# KiCad board helios-panel.kicad_pcb (continued)
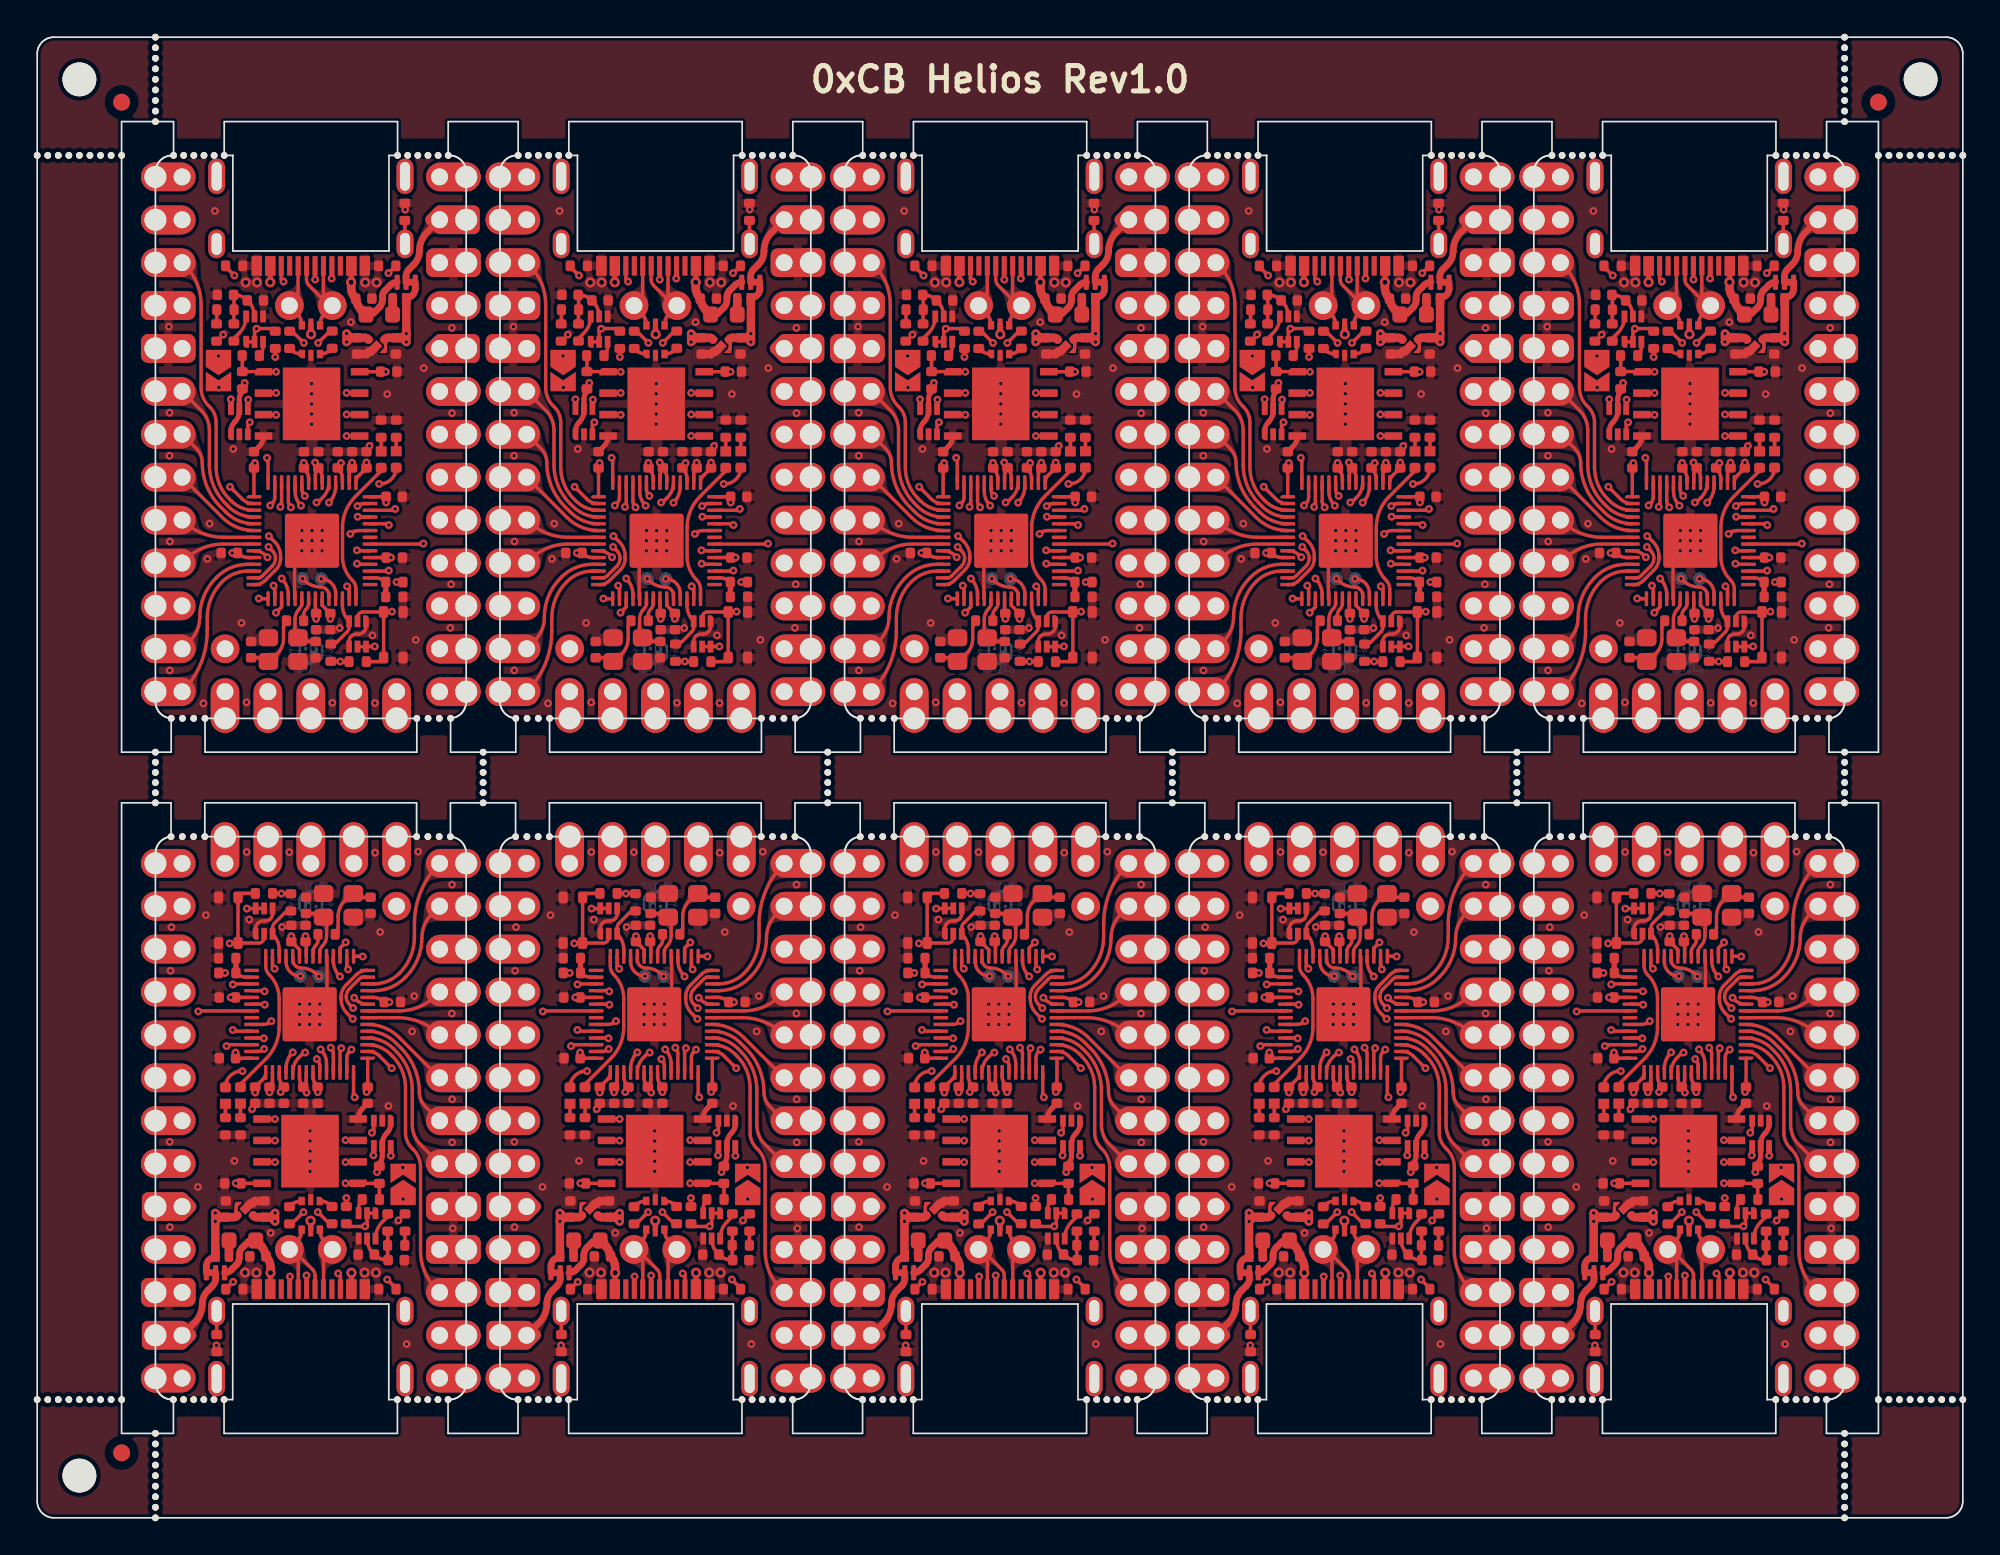
[diagram p0: board, top side]
## Nets (continued)
Board_7-/QSPI_CLK: U3#2.6 U4#8.52
Board_7-/QSPI_CS: R9#9.1 R11#8.2 U3#2.1 U4#8.56
Board_7-/QSPI_SD0: U3#2.5 U4#8.53
Board_7-/QSPI_SD1: U3#2.2 U4#8.55
Board_7-/QSPI_SD2: U3#2.3 U4#8.54
Board_7-/QSPI_SD3: U3#2.7 U4#8.51
Board_7-/RAW: J2#2.30 JP2#4.2
Board_7-/RESET: J2#2.28 Q1.2 R1#9.2 SW1#3.2
Board_7-/RGB_5V: J2#2.32 U5#4.4
Board_7-/RGB_DO: U4#8.37 U5#4.3
Board_7-/RST: Q1.3 R3#10.2 U4#8.26
Board_7-/SWD_CLK: TP1#8.1 U4#8.24
Board_7-/SWD_IO: TP2#10.1 U4#8.25
Board_7-/USB+: R12#9.1 U1#7.1
Board_7-/USB-: R13#8.1 U1#7.3
Board_7-GND: C1#9.2 C2#6.2 C3#2.2 C4#3.2 C5#2.2 C6.2 C7#3.1 C8.1 C9#6.1 C10#9.1 C11#6.2 C12.2 C13#2.2 C14#7.2 C15#2.2 C16#4.2 C17#2.2 C18#8.2 C19.2 FB1#8.2 J1#6.A1 J1#6.A12 J1#6.B1 J1#6.B12 J2#2.4 J2#2.5 J2#2.29 Q1.1 Q1.4 Q2.4 R6#3.2 R7#3.1 R8#9.1 R10#5.2 R15#5.2 R17#6.2 SW1#3.1 U1#7.2 U2#3.2 U2#3.5 U3#2.4 U3#2.9 U4#8.19 U4#8.57 U5#4.2 Y1#3.2 Y1#3.4
Board_7-Net-(C8-Pad2): C8.2 R14#8.1 Y1#3.1
Board_7-Net-(D1-A): D1#4.2 JP1#4.2
Board_7-Net-(D1-K): D1#4.1 R10#5.1
Board_7-Net-(D2-K): D2#2.1 R15#5.1
Board_7-Net-(D3-A): D3#5.2 F1#6.2
Board_7-Net-(J1-CC1): J1#6.A5 R7#3.2
Board_7-Net-(J1-CC2): J1#6.B5 R8#9.2
Board_7-Net-(J1-SHIELD): FB1#8.1 J1#6.S1
Board_7-Net-(Q1A-D): Q1.5 Q1.6 Q2.1 Q2.2 R2#9.2
Board_7-Net-(Q2A-D): Q2.6 R4#8.1
Board_7-Net-(Q2B-G): C1#9.1 C2#6.1 Q2.5 R4#8.2 R5#4.1
Board_7-Net-(R5-Pad2): R5#4.2 R6#3.1
Board_7-Net-(U4-XTAL_IN): C7#3.2 U4#8.20 Y1#3.3
Board_7-Net-(U4-XTAL_OUT): R14#8.2 U4#8.21
Board_7-unconnected-(J1-SBU1-PadA8): J1#6.A8
Board_7-unconnected-(J1-SBU2-PadB8): J1#6.B8
Board_7-unconnected-(U4-GPIO18-Pad29): U4#8.29
Board_7-unconnected-(U4-GPIO24-Pad36): U4#8.36
Board_7-VBUS: C3#2.1 F1#6.1 J1#6.A4 J1#6.A9 J1#6.B4 J1#6.B9 JP2#4.3 R16#6.1
Board_8-+1V1: C10#8.2 C17#4.1 C19#9.1 U4#4.23 U4#4.45 U4#4.50
Board_8-+3V3: C5#3.1 C6#2.1 C9#8.2 C11#7.1 C12#2.1 C13#3.1 C14#8.1 C15#6.1 C16#7.1 C18#5.1 J2#8.27 JP1#8.1 R1#10.1 R2#10.1 R3#2.1 R11#9.1 U2#8.1 U3#6.8 U4#4.1 U4#4.10 U4#4.22 U4#4.33 U4#4.42 U4#4.43 U4#4.44 U4#4.48 U4#4.49 U5#5.1 U5#5.5
Board_8-+5V: C4#4.1 D3#4.1 JP2#9.1 U1#8.5 U2#8.3 U2#8.4 U5#5.6
Board_8-/0_TX0: J2#8.2 U4#4.2
Board_8-/1_RX0: J2#8.3 U4#4.3
Board_8-/2_SDA1: J2#8.6 U4#4.4
Board_8-/3_SCL1: J2#8.7 U4#4.5
Board_8-/4: J2#8.8 U4#4.6
Board_8-/5: J2#8.9 U4#4.7
Board_8-/6: J2#8.10 U4#4.8
Board_8-/7: J2#8.11 U4#4.9
Board_8-/8: J2#8.12 U4#4.11
Board_8-/9: J2#8.13 U4#4.12
Board_8-/10: J2#8.1 U4#4.13
Board_8-/11: J2#8.31 U4#4.14
Board_8-/12: J2#8.14 U4#4.15
Board_8-/13: J2#8.15 U4#4.16
Board_8-/14: J2#8.16 U4#4.17
Board_8-/15: J2#8.17 U4#4.18
Board_8-/16: J2#8.18 U4#4.27
Board_8-/20_SDI: J2#8.21 U4#4.31
Board_8-/21_CS: J2#8.19 U4#4.32
Board_8-/22_SCK: J2#8.22 U4#4.34
Board_8-/23_SDO: J2#8.20 U4#4.35
Board_8-/A0: J2#8.23 U4#4.38
Board_8-/A1: J2#8.24 U4#4.39
Board_8-/A2: J2#8.25 U4#4.40
Board_8-/A3: J2#8.26 U4#4.41
Board_8-/BOOT: Q2#3.3 R9#10.2
Board_8-/D+: R12#10.2 U4#4.47
Board_8-/D-: R13#4.2 U4#4.46
Board_8-/LED: D2.2 U4#4.28
Board_8-/PORT+: J1#9.A6 J1#9.B6 J2#8.34 U1#8.6
Board_8-/PORT-: J1#9.A7 J1#9.B7 J2#8.33 U1#8.4
Board_8-/QSPI_CLK: U3#6.6 U4#4.52
Board_8-/QSPI_CS: R9#10.1 R11#9.2 U3#6.1 U4#4.56
Board_8-/QSPI_SD0: U3#6.5 U4#4.53
Board_8-/QSPI_SD1: U3#6.2 U4#4.55
Board_8-/QSPI_SD2: U3#6.3 U4#4.54
Board_8-/QSPI_SD3: U3#6.7 U4#4.51
Board_8-/RAW: J2#8.30 JP2#9.2
Board_8-/RESET: J2#8.28 Q1#6.2 R1#10.2 SW1#5.2
Board_8-/RGB_5V: J2#8.32 U5#5.4
Board_8-/RGB_DO: U4#4.37 U5#5.3
Board_8-/RST: Q1#6.3 R3#2.2 U4#4.26
Board_8-/SWD_CLK: TP1#9.1 U4#4.24
Board_8-/SWD_IO: TP2.1 U4#4.25
Board_8-/USB+: R12#10.1 U1#8.1
Board_8-/USB-: R13#4.1 U1#8.3
Board_8-GND: C1#10.2 C2#2.2 C3#3.2 C4#4.2 C5#3.2 C6#2.2 C7#5.1 C8#4.1 C9#8.1 C10#8.1 C11#7.2 C12#2.2 C13#3.2 C14#8.2 C15#6.2 C16#7.2 C17#4.2 C18#5.2 C19#9.2 FB1#9.2 J1#9.A1 J1#9.A12 J1#9.B1 J1#9.B12 J2#8.4 J2#8.5 J2#8.29 Q1#6.1 Q1#6.4 Q2#3.4 R6#4.2 R7#9.1 R8#10.1 R10#3.2 R15#6.2 R17#8.2 SW1#5.1 U1#8.2 U2#8.2 U2#8.5 U3#6.4 U3#6.9 U4#4.19 U4#4.57 U5#5.2 Y1#10.2 Y1#10.4
Board_8-Net-(C8-Pad2): C8#4.2 R14#10.1 Y1#10.1
Board_8-Net-(D1-A): D1.2 JP1#8.2
Board_8-Net-(D1-K): D1.1 R10#3.1
Board_8-Net-(D2-K): D2.1 R15#6.1
Board_8-Net-(D3-A): D3#4.2 F1#7.2
Board_8-Net-(J1-CC1): J1#9.A5 R7#9.2
Board_8-Net-(J1-CC2): J1#9.B5 R8#10.2
Board_8-Net-(J1-SHIELD): FB1#9.1 J1#9.S1
Board_8-Net-(Q1A-D): Q1#6.5 Q1#6.6 Q2#3.1 Q2#3.2 R2#10.2
Board_8-Net-(Q2A-D): Q2#3.6 R4#9.1
Board_8-Net-(Q2B-G): C1#10.1 C2#2.1 Q2#3.5 R4#9.2 R5#6.1
Board_8-Net-(R5-Pad2): R5#6.2 R6#4.1
Board_8-Net-(U4-XTAL_IN): C7#5.2 U4#4.20 Y1#10.3
Board_8-Net-(U4-XTAL_OUT): R14#10.2 U4#4.21
Board_8-unconnected-(J1-SBU1-PadA8): J1#9.A8
Board_8-unconnected-(J1-SBU2-PadB8): J1#9.B8
Board_8-unconnected-(U4-GPIO18-Pad29): U4#4.29
Board_8-unconnected-(U4-GPIO24-Pad36): U4#4.36
Board_8-VBUS: C3#3.1 F1#7.1 J1#9.A4 J1#9.A9 J1#9.B4 J1#9.B9 JP2#9.3 R16#8.1
Board_9-+1V1: C10#10.2 C17#3.1 C19#10.1 U4.23 U4.45 U4.50
Board_9-+3V3: C5#4.1 C6#3.1 C9#10.2 C11#10.1 C12#3.1 C13#4.1 C14#9.1 C15#9.1 C16#6.1 C18#4.1 J2#3.27 JP1#10.1 R1.1 R2#2.1 R3#9.1 R11#10.1 U2#7.1 U3#3.8 U4.1 U4.10 U4.22 U4.33 U4.42 U4.43 U4.44 U4.48 U4.49 U5#8.1 U5#8.5
Board_9-+5V: C4#5.1 D3#6.1 JP2#10.1 U1#3.5 U2#7.3 U2#7.4 U5#8.6
Board_9-/0_TX0: J2#3.2 U4.2
Board_9-/1_RX0: J2#3.3 U4.3
Board_9-/2_SDA1: J2#3.6 U4.4
Board_9-/3_SCL1: J2#3.7 U4.5
Board_9-/4: J2#3.8 U4.6
Board_9-/5: J2#3.9 U4.7
Board_9-/6: J2#3.10 U4.8
Board_9-/7: J2#3.11 U4.9
Board_9-/8: J2#3.12 U4.11
Board_9-/9: J2#3.13 U4.12
Board_9-/10: J2#3.1 U4.13
Board_9-/11: J2#3.31 U4.14
Board_9-/12: J2#3.14 U4.15
Board_9-/13: J2#3.15 U4.16
Board_9-/14: J2#3.16 U4.17
Board_9-/15: J2#3.17 U4.18
Board_9-/16: J2#3.18 U4.27
Board_9-/20_SDI: J2#3.21 U4.31
Board_9-/21_CS: J2#3.19 U4.32
Board_9-/22_SCK: J2#3.22 U4.34
Board_9-/23_SDO: J2#3.20 U4.35
Board_9-/A0: J2#3.23 U4.38
Board_9-/A1: J2#3.24 U4.39
Board_9-/A2: J2#3.25 U4.40
Board_9-/A3: J2#3.26 U4.41
Board_9-/BOOT: Q2#6.3 R9#2.2
Board_9-/D+: R12.2 U4.47
Board_9-/D-: R13#5.2 U4.46
Board_9-/LED: D2#4.2 U4.28
Board_9-/PORT+: J1#7.A6 J1#7.B6 J2#3.34 U1#3.6
Board_9-/PORT-: J1#7.A7 J1#7.B7 J2#3.33 U1#3.4
Board_9-/QSPI_CLK: U3#3.6 U4.52
Board_9-/QSPI_CS: R9#2.1 R11#10.2 U3#3.1 U4.56
Board_9-/QSPI_SD0: U3#3.5 U4.53
Board_9-/QSPI_SD1: U3#3.2 U4.55
Board_9-/QSPI_SD2: U3#3.3 U4.54
Board_9-/QSPI_SD3: U3#3.7 U4.51
Board_9-/RAW: J2#3.30 JP2#10.2
Board_9-/RESET: J2#3.28 Q1#8.2 R1.2 SW1#8.2
Board_9-/RGB_5V: J2#3.32 U5#8.4
Board_9-/RGB_DO: U4.37 U5#8.3
Board_9-/RST: Q1#8.3 R3#9.2 U4.26
Board_9-/SWD_CLK: TP1#10.1 U4.24
Board_9-/SWD_IO: TP2#2.1 U4.25
Board_9-/USB+: R12.1 U1#3.1
Board_9-/USB-: R13#5.1 U1#3.3
Board_9-GND: C1#3.2 C2#3.2 C3#5.2 C4#5.2 C5#4.2 C6#3.2 C7#4.1 C8#10.1 C9#10.1 C10#10.1 C11#10.2 C12#3.2 C13#4.2 C14#9.2 C15#9.2 C16#6.2 C17#3.2 C18#4.2 C19#10.2 FB1#10.2 J1#7.A1 J1#7.A12 J1#7.B1 J1#7.B12 J2#3.4 J2#3.5 J2#3.29 Q1#8.1 Q1#8.4 Q2#6.4 R6#5.2 R7#10.1 R8#5.1 R10#9.2 R15#8.2 R17#9.2 SW1#8.1 U1#3.2 U2#7.2 U2#7.5 U3#3.4 U3#3.9 U4.19 U4.57 U5#8.2 Y1#7.2 Y1#7.4
Board_9-Net-(C8-Pad2): C8#10.2 R14#3.1 Y1#7.1
Board_9-Net-(D1-A): D1#2.2 JP1#10.2
Board_9-Net-(D1-K): D1#2.1 R10#9.1
Board_9-Net-(D2-K): D2#4.1 R15#8.1
Board_9-Net-(D3-A): D3#6.2 F1#3.2
Board_9-Net-(J1-CC1): J1#7.A5 R7#10.2
Board_9-Net-(J1-CC2): J1#7.B5 R8#5.2
Board_9-Net-(J1-SHIELD): FB1#10.1 J1#7.S1
Board_9-Net-(Q1A-D): Q1#8.5 Q1#8.6 Q2#6.1 Q2#6.2 R2#2.2
Board_9-Net-(Q2A-D): Q2#6.6 R4#10.1
Board_9-Net-(Q2B-G): C1#3.1 C2#3.1 Q2#6.5 R4#10.2 R5#5.1
Board_9-Net-(R5-Pad2): R5#5.2 R6#5.1
Board_9-Net-(U4-XTAL_IN): C7#4.2 U4.20 Y1#7.3
Board_9-Net-(U4-XTAL_OUT): R14#3.2 U4.21
Board_9-unconnected-(J1-SBU1-PadA8): J1#7.A8
Board_9-unconnected-(J1-SBU2-PadB8): J1#7.B8
Board_9-unconnected-(U4-GPIO18-Pad29): U4.29
Board_9-unconnected-(U4-GPIO24-Pad36): U4.36
Board_9-VBUS: C3#5.1 F1#3.1 J1#7.A4 J1#7.A9 J1#7.B4 J1#7.B9 JP2#10.3 R16#10.1

Pads without a net: J1 S2 S3 S4; J1#2 S2 S3 S4; J1#3 S2 S3 S4; J1#4 S2 S3 S4; J1#5 S2 S3 S4; J1#6 S2 S3 S4; J1#7 S2 S3 S4; J1#8 S2 S3 S4; J1#9 S2 S3 S4; J1#10 S2 S3 S4

## Via types
v1: diameter 0.46, hole 0.2, Top to Bottom, 1110 vias
v2: diameter 0.6, hole 0.3, Top to Bottom, 70 vias

## Routing (per net, layer and track width the routed paths; a pad name or vN(x,y) marks a point on that pad's centre or on a via; arc(x,y) is an arc through that point)
Board_0-/VBUS_DETECT: length 1.9
  Top w0.2: 19.68,55.65 20.03,55.65 arc(20.36,55.59) R16#7.2
  Top w0.3: R17#10.1 R16#7.2
Board_1-/VBUS_DETECT: length 1.9
  Top w0.2: 40.08,55.65 40.43,55.65 arc(40.76,55.59) R16#9.2
  Top w0.3: R17#7.1 R16#9.2
Board_2-/VBUS_DETECT: length 1.9
  Top w0.2: 60.48,55.65 60.83,55.65 arc(61.16,55.59) 61.44,55.4
  Top w0.3: 61.44,54.52 61.44,55.4
Board_3-/VBUS_DETECT: length 1.9
  Top w0.2: 80.88,55.65 81.23,55.65 arc(81.56,55.59) R16.2
  Top w0.3: R17#2.1 R16.2
Board_4-/VBUS_DETECT: length 1.9
  Top w0.2: 101.28,55.65 101.63,55.65 arc(101.96,55.59) R16#2.2
  Top w0.3: R17#3.1 R16#2.2
Board_5-/VBUS_DETECT: length 1.9
  Top w0.2: 12.72,32.01 12.37,32.01 arc(12.04,32.07) R16#3.2
  Top w0.3: R17#4.1 R16#3.2
Board_6-/VBUS_DETECT: length 1.9
  Top w0.2: 33.12,32.01 32.77,32.01 arc(32.44,32.07) R16#5.2
  Top w0.3: R17#5.1 R16#5.2
Board_7-/VBUS_DETECT: length 1.9
  Top w0.2: 53.52,32.01 53.17,32.01 arc(52.84,32.07) 52.56,32.26
  Top w0.3: 52.56,33.13 52.56,32.26
Board_8-/VBUS_DETECT: length 1.9
  Top w0.2: 73.92,32.01 73.57,32.01 arc(73.24,32.07) R16#8.2
  Top w0.3: R17#8.1 R16#8.2
Board_9-/VBUS_DETECT: length 1.9
  Top w0.2: 94.32,32.01 93.97,32.01 arc(93.64,32.07) 93.36,32.26
  Top w0.3: 93.36,33.13 93.36,32.26
Board_0-+1V1: length 15.7
  Top w0.2: v1(15.78,62.46) 15.8,62.45 C17#7.1 arc(16,61.86) 16.07,61.5 U4#7.50 ; v1(17.98,62.45) 17.8,62.26 C10#2.2 arc(18,61.86) 18.07,61.5 U4#7.45 ; U4#7.23 16.87,54.02 17.35,53.54 C19#6.1 v1(17.35,53.22)
  In2.Cu w0.2: v1(15.78,62.46) 16.83,61.42 ; 16.83,61.42 17.47,60.77 arc(17.75,60.36) 17.84,59.87 17.84,54.4 arc(17.72,53.76) v1(17.35,53.22) ; 16.83,61.42 17.85,62.45 v1(17.98,62.45)
Board_0-+3V3: length 21.3
  Top w0.2: 19.68,56.85 v1(20.95,56.85) ; 20.15,67.85 v1(20.65,67.85) 20.64,67.85 U3#4.8 ; v1(16.45,62.48) 16.65,62.29 C14#10.1 ; U4#7.1 12.83,62.16 C16#2.1 12.84,62.39 v1(12.89,62.45) ; v1(11.55,57.12) C15#10.1 arc(12.15,56.92) 12.51,56.85 U4#7.10 ; R2#3.1 v1(14.09,68.72) ; R3#4.1 17.4,50.7 v1(17.95,50.7) 17.95,50.69 R1#5.1 ; v1(19.49,62.48) C18.1 19.04,61.71 arc(18.92,61.52) U4#7.43 ; v1(18.65,62.47) C9#7.2 18.53,62.04 arc(18.49,61.98) 18.47,61.9 U4#7.44 ; v1(16.52,53.22) C11#3.1 16.47,53.58 U4#7.22 ; v1(12.29,67.19) 12.29,66.98 R11.1 ; 19.68,60.45 C13#5.1 v1(20.66,60.11) ; U4#7.48 16.87,61.62 arc(16.81,61.91) C14#10.1 ; U4#7.49 16.47,61.74 arc(16.52,61.97) C14#10.1
  Top w0.3: R11.1 12.14,66.66 12.09,66.61 arc(12,66.43) 11.97,66.24 U5.5 11.97,65.53 arc(11.9,65.18) 11.7,64.88 11.69,64.87 arc(11.53,64.63) 11.47,64.34 U5.1
  Top w0.5: 19.62,69.75 19.57,69.8 arc(19.5,69.84) 19.43,69.86 C5#5.1 18.56,69.86 ; 18.56,69.86 v1(18.31,70.11) v1(18.31,69.61) 18.56,69.86
  vias: v1(10.73,68.79)
Board_0-+5V: length 20.9
  Top w0.2: U2#4.3 20.57,69.1 arc(20.61,69.16) 20.62,69.24 20.62,69.53 arc(20.61,69.61) 20.57,69.67 U2#4.4
  Top w0.3: v2(16.22,70.07) 16.2,70.08 U1#9.5 ; v1(11.46,66.22) 11.47,66.22 U5.6
  Top w0.4: JP2#7.1 22.38,72.77 arc(22.23,72.4) 21.85,72.24
  Top w0.5: 21.6,69.86 v1(21.85,70.11) ; 21.6,69.86 v1(21.85,69.61) v1(21.85,70.11) ; 21.6,69.86 C4#6.1 20.74,69.86 arc(20.67,69.84) 20.6,69.8 20.55,69.75 ; v1(21.85,70.11) 21.85,72.24 21.84,72.23 D3#7.1
  In1.Cu w0.3: v1(21.85,69.61) 21.56,69.32 arc(21.2,69.08) 20.77,68.99 18.6,68.99 arc(18.09,69.09) 17.65,69.38 17.23,69.8 arc(16.92,70.01) 16.55,70.08 16.23,70.08 v2(16.22,70.07) 16.2,70.08 14.99,70.08 arc(13.66,69.82) 12.53,69.06 arc(11.74,67.89) 11.46,66.5 v1(11.46,66.22)
Board_0-/0_TX0: length 18.4
  Top w0.2: U4#7.2 12.78,60.05 arc(12.43,60.12) 12.14,60.32 v1(11.41,61.04)
  In1.Cu w0.2: J2#7.2 8.58,76.28 arc(8.62,76.09) 8.73,75.93 8.76,75.89 arc(9.65,74.56) 9.96,72.98 9.96,63.75 arc(10.15,62.84) 10.66,62.07 11.22,61.51 arc(11.36,61.29) v1(11.41,61.04)
Board_0-/1_RX0: length 16.4
  Top w0.2: J2#7.3 8.76,74.13 arc(9.46,73.08) 9.7,71.85 9.7,66.89 arc(9.82,66.33) 10.14,65.85 10.22,65.76 arc(10.5,65.35) 10.59,64.86 10.59,62.19 arc(10.8,61.18) 11.37,60.33 11.49,60.21 arc(12.1,59.79) U4#7.3
Board_0-/2_SDA1: length 9.4
  Top w0.2: J2#7.6 9.72,65.55 arc(10.07,65.02) 10.2,64.4 10.2,62.33 arc(10.44,61.1) 11.14,60.06 11.32,59.88 arc(12.01,59.41) U4#7.4
Board_0-/3_SCL1: length 7.3
  Top w0.2: J2#7.7 9.42,63.31 arc(9.68,62.92) 9.77,62.45 arc(10.05,61.05) 10.85,59.86 11.17,59.54 arc(11.93,59.03) U4#7.5
Board_0-/4: length 5.4
  Top w0.2: J2#7.8 10.97,59.22 arc(11.82,58.65) U4#7.6
Board_0-/5: length 4.5
  Top w0.2: U4#7.7 11.04,58.05 arc(9.71,58.32) J2#7.9
Board_0-/6: length 4.6
  Top w0.2: U4#7.8 10.99,57.65 arc(9.8,57.41) 8.79,56.74 J2#7.10
Board_0-/7: length 6.9
  Top w0.2: U4#7.9 12.87,57.25 arc(13.23,57.18) 13.53,56.97 v1(13.64,56.87)
  In2.Cu w0.2: v1(13.64,56.87) 12.29,55.53 arc(10.59,54.39) J2#7.11
Board_0-/8: length 7.3
  Top w0.2: U4#7.11 12.45,56.45 arc(11.48,56.26) 10.65,55.71 10.58,55.64 arc(9.87,54.58) 9.62,53.32 arc(9.47,52.56) 9.04,51.91 J2#7.12
Board_0-/9: length 9.2
  Top w0.2: U4#7.12 12.47,56.05 arc(11.65,55.89) 10.96,55.42 arc(10.3,54.43) 10.07,53.27 10.07,52.5 arc(9.68,50.55) J2#7.13
Board_0-/10: length 26.5
  Top w0.2: v1(13.7,57.48) 13.93,57.24 arc(14.06,57.05) 14.11,56.82 arc(14.06,56.56) 13.91,56.34 13.34,55.77 arc(13.21,55.68) 13.06,55.65 U4#7.13
  In2.Cu w0.2: v1(13.7,57.48) 13.66,57.48 10.38,60.76 arc(9.97,61.38) 9.82,62.1 9.82,76.38 arc(9.5,78.01) J2#7.1
Board_0-/11: length 38
  Top w0.2: U4#7.14 12.92,55.25 arc(13.22,55.31) 13.48,55.48 14.13,56.13 arc(14.34,56.44) 14.41,56.8 14.41,56.93 arc(14.32,57.4) 14.05,57.79 13.73,58.12 v1(13.71,58.12)
  In1.Cu w0.2: v1(13.71,58.12) 13.71,58.31 arc(13.62,58.53) 13.4,58.62 arc(12.54,58.98) 12.19,59.84 12.19,60.07 arc(12.02,60.9) 11.55,61.6 10.89,62.26 arc(10.43,62.96) 10.27,63.78 10.27,72.27 arc(10.82,73.6) 12.15,74.15 21.43,74.15 arc(22.26,74.49) 22.6,75.33 22.6,76.46 arc(22.92,78.04) J2#7.31
Board_0-/12: length 6.6
  Top w0.2: v1(13.12,54.42) 13.13,54.41 U4#7.15
  In1.Cu w0.2: v1(13.12,54.42) 13.12,53.74 arc(12.6,51.13) J2#7.14
Board_0-/13: length 7.2
  Top w0.2: U4#7.16 14.07,55.11 v1(14,55.19)
  In1.Cu w0.2: J2#7.15 13.66,54.38 arc(13.75,54.82) v1(14,55.19)
Board_0-/14: length 6.2
  Top w0.2: v1(14.14,53.59) 14.47,53.92 U4#7.17
  In1.Cu w0.2: J2#7.16 15.98,49.13 arc(14.62,51.17) v1(14.14,53.59)
Board_0-/15: length 9.5
  Top w0.2: U4#7.18 14.87,54.66 arc(14.77,55.17) v1(14.48,55.61)
  In1.Cu w0.2: J2#7.17 16.2,51.45 arc(15.37,52.7) 15.08,54.16 arc(14.92,54.95) v1(14.48,55.61)
Board_0-/16: length 7.9
  Top w0.2: U4#7.27 18.47,55.02 v1(18.34,55.15)
  In1.Cu w0.2: J2#7.18 20.68,49.51 arc(18.95,52.1) v1(18.34,55.15)
Board_0-/20_SDI: length 4.9
  Top w0.2: v1(20.81,56.08) 20.78,56.05 U4#7.31
  In1.Cu w0.2: J2#7.21 22.38,55.43 arc(21.66,55.91) v1(20.81,56.08)
Board_0-/21_CS: length 10.1
  Top w0.2: v1(18.94,56.49) 18.98,56.45 U4#7.32
  In1.Cu w0.2: J2#7.19 20.92,51.81 arc(19.62,53.64) 18.99,55.78 18.99,56.44 v1(18.94,56.49)
Board_0-/22_SCK: length 5.9
  Top w0.2: U4#7.34 18.95,57.25 v1(18.92,57.28)
  In1.Cu w0.2: v1(18.92,57.28) 18.97,57.32 21.9,57.32 arc(22.94,57.12) J2#7.22
Board_0-/23_SDO: length 9.8
  Top w0.2: U4#7.35 22.84,57.65 v1(22.87,57.68)
  In2.Cu w0.2: v1(22.87,57.68) 22.73,57.55 22.73,53.83 arc(22.97,52.63) 23.65,51.62 J2#7.20
Board_0-/A0: length 4.2
  Top w0.2: U4#7.38 20.74,58.85 v1(20.82,58.77)
  In1.Cu w0.2: v1(20.82,58.77) 23.11,58.77 arc(23.49,58.85) J2#7.23
Board_0-/A1: length 6.5
  Top w0.2: v1(18.98,59.27) 18.99,59.25 U4#7.39
  In1.Cu w0.2: J2#7.24 21.72,59.51 arc(21.43,59.32) 21.09,59.25 19,59.25 v1(18.98,59.27)
Board_0-/A2: length 6.8
  Top w0.2: U4#7.40 21.12,59.65 v1(21.2,59.73)
  In1.Cu w0.2: J2#7.25 22.46,62.79 arc(21.52,61.39) v1(21.2,59.73)
Board_0-/A3: length 9.7
  Top w0.2: v1(18.97,59.9) 18.97,59.9 arc(19.13,60.01) 19.32,60.05 U4#7.41
  In1.Cu w0.2: J2#7.26 22,64.87 arc(21.31,63.83) 21.06,62.61 21.06,62.11 arc(20.9,61.26) 20.41,60.54 20.35,60.47 arc(19.71,60.05) v1(18.97,59.9)
Board_0-/BOOT: length 0.9
  Top w0.2: Q2#2.3 13.37,69.33 arc(13.31,69.05) R9.2
Board_0-/D+: length 12.7
  Top w0.2: v1(15.78,69.56) 15.09,70.25 R12#2.2 ; v1(16.53,60.11) 16.61,60.11 16.9,60.4 arc(17.17,60.81) U4#7.47
  In1.Cu w0.2: v1(15.78,69.56) 16.41,68.93 arc(16.89,68.21) 17.06,67.37 17.06,66.51 17.06,62.62 arc(17.02,62.43) 16.91,62.27 16.82,62.17 arc(16.71,62.01) 16.67,61.82 16.67,60.25 v1(16.53,60.11)
Board_0-/D-: length 12.7
  Top w0.2: v1(16.63,69.56) 17.34,70.26 R13#6.2 ; U4#7.46 17.67,61.07 arc(17.57,60.54) v1(17.27,60.1)
  In1.Cu w0.2: v1(16.63,69.56) 16.63,69.55 arc(16.67,69.36) 16.78,69.2 arc(17.32,68.39) 17.51,67.44 17.51,66.13 arc(17.54,66.06) 17.6,66.04 arc(17.66,66.01) 17.69,65.95 17.69,65.83 arc(17.66,65.76) 17.6,65.74 17.51,65.74 17.51,65.73 17.45,65.73 arc(17.4,65.71) 17.38,65.66 17.38,65.49 arc(17.4,65.44) 17.45,65.43 arc(17.49,65.41) 17.51,65.36 17.51,62.44 arc(17.47,62.25) 17.36,62.08 17.27,61.99 arc(17.16,61.83) 17.12,61.63 17.12,60.45 arc(17.16,60.26) 17.27,60.1 v1(17.27,60.1)
Board_0-/LED: length 8.8
  Top w0.2: D2#5.2 20.37,61.99 18.84,60.47 arc(18.27,59.62) 18.08,58.62 18.08,56.92 arc(18.23,56.15) 18.66,55.5 arc(18.82,55.27) 18.87,55 U4#7.28
Board_0-/PORT+: length 7.1
  Top w0.2: 16.45,74.12 16.45,73.32 v1(16.45,73.31) ; U1#9.6 15.67,70.62 arc(15.59,71) 15.37,71.33 J2#7.34 15.45,72.28 15.45,74.12
  In1.Cu w0.2: J2#7.34 15.09,71.77 16.45,73.13 v1(16.45,73.31)
Board_0-/PORT-: length 7.1
  Top w0.2: J2#7.33 17.04,71.34 arc(16.82,71.01) 16.74,70.63 U1#9.4 ; J2#7.33 16.95,72.29 16.95,74.12 ; J2#7.33 17.28,71.77 16.09,72.96 arc(15.98,73.13) 15.95,73.32 15.95,74.12
Board_0-/QSPI_CLK: length 11.3
  Top w0.2: U4#7.52 15.27,60.77 arc(15.36,60.31) v1(15.62,59.92) ; v1(18.32,65.32) 18.33,65.31 U3#4.6
  In2.Cu w0.2: v1(15.62,59.92) 15.62,60.02 arc(15.16,60.72) 15,61.53 15,62.81 arc(15.17,63.23) 15.59,63.4 18.29,63.4 arc(18.65,63.55) 18.79,63.9 18.79,64.18 arc(18.67,64.8) v1(18.32,65.32)
Board_0-/QSPI_CS: length 9.8
  Top w0.2: v1(13.61,62.76) 13.67,62.69 13.67,61.31 ; 12.14,68.81 12.14,68.8 R11.2 13.39,67.86 U3#4.1 14.14,67.85 v1(14.14,67.85)
  In2.Cu w0.2: v1(13.61,62.76) arc(13.43,63.02) 13.37,63.32 13.37,65.98 arc(13.57,66.99) v1(14.14,67.85)
Board_0-/QSPI_SD0: length 11.3
  Top w0.2: v1(15.02,59.82) 15.02,59.83 arc(14.91,59.99) 14.87,60.18 U4#7.53 ; v1(18.32,64.05) 18.33,64.04 U3#4.5
  In2.Cu w0.2: v1(15.02,59.82) 15.02,59.9 arc(14.78,60.26) 14.7,60.68 14.7,62.86 arc(14.94,63.45) 15.53,63.7 16.37,63.7 arc(16.47,63.74) 16.52,63.85 16.52,64.1 arc(16.56,64.21) 16.66,64.25 arc(16.77,64.21) 16.81,64.1 16.81,63.85 arc(16.86,63.74) 16.97,63.7 arc(17.07,63.74) 17.12,63.85 17.12,64.1 arc(17.16,64.21) 17.27,64.25 arc(17.37,64.21) 17.41,64.1 17.41,63.85 arc(17.46,63.74) 17.56,63.7 arc(17.94,63.77) 18.26,63.99 v1(18.32,64.05)
Board_0-/QSPI_SD1: length 11.4
  Top w0.2: v1(13.8,59.94) 13.92,60.06 arc(14.03,60.23) 14.07,60.42 U4#7.55 ; U3#4.2 14.13,66.58 v1(14.14,66.6)
  In2.Cu w0.2: v1(13.8,59.94) 13.96,60.1 arc(14.06,60.25) 14.09,60.42 arc(14.05,60.53) 13.95,60.57 13.84,60.57 arc(13.74,60.61) 13.7,60.72 arc(13.74,60.83) 13.84,60.87 13.95,60.87 arc(14.05,60.91) 14.09,61.02 arc(14.05,61.13) 13.95,61.17 13.84,61.17 arc(13.74,61.21) 13.7,61.32 arc(13.74,61.43) 13.84,61.47 13.95,61.47 arc(14.05,61.51) 14.09,61.62 arc(14.05,61.73) 13.95,61.77 13.84,61.77 arc(13.74,61.81) 13.7,61.92 arc(13.74,62.03) 13.84,62.07 13.95,62.07 arc(14.05,62.11) 14.09,62.22 14.09,62.78 arc(14.06,62.97) 13.95,63.13 13.82,63.26 arc(13.71,63.43) 13.67,63.62 13.67,63.96 arc(13.71,64.06) 13.82,64.11 13.92,64.11 arc(14.03,64.15) 14.07,64.26 arc(14.03,64.36) 13.92,64.41 13.82,64.41 arc(13.71,64.45) 13.67,64.56 13.67,65.46 arc(13.79,66.07) v1(14.14,66.6)
Board_0-/QSPI_SD2: length 11.3
  Top w0.2: v1(14.39,59.85) 14.47,59.92 U4#7.54 ; v1(14.14,65.3) 14.13,65.31 U3#4.3
  In2.Cu w0.2: v1(14.39,59.85) 14.39,63.85 arc(14.44,63.96) 14.55,64 15.24,64 arc(15.35,64.04) 15.4,64.15 arc(15.35,64.26) 15.24,64.3 14.55,64.3 arc(14.44,64.34) 14.39,64.45 arc(14.44,64.56) 14.55,64.6 15.24,64.6 arc(15.35,64.64) 15.4,64.75 arc(15.35,64.86) 15.24,64.9 14.55,64.9 arc(14.44,64.94) 14.39,65.05 v1(14.14,65.3)
Board_0-/QSPI_SD3: length 11.4
  Top w0.2: v1(18.32,66.6) 18.34,66.58 U3#4.7 ; v1(15.84,60.5) 15.82,60.53 arc(15.71,60.69) 15.67,60.88 U4#7.51
  In2.Cu w0.2: v1(15.84,60.5) arc(15.44,61.11) 15.3,61.82 15.3,62.75 arc(15.39,62.98) 15.63,63.08 18.31,63.08 arc(18.89,63.32) 19.13,63.9 19.13,64.63 arc(18.92,65.7) v1(18.32,66.6)
Board_0-/RAW: length 4.4
  Top w0.4: JP2#7.2 21.84,73.48 arc(21.88,73.72) 22.02,73.92 22.3,74.21 arc(22.54,74.56) 22.62,74.98 arc(22.75,75.6) 23.1,76.13 J2#7.30
Board_0-/RESET: length 25.2
  Top w0.2: SW1#6.2 SW1#6.2 20.27,50.69 R1#5.2 ; SW1#6.2 19.28,53.63 arc(19.06,53.54) 18.97,53.31 Q1#7.2 ; SW1#6.2 20.98,53.63 v1(21.01,53.65)
  In2.Cu w0.2: v1(21.01,53.65) arc(21.95,55.06) 22.28,56.73 22.28,68.05 arc(22.68,70.06) J2#7.28
Board_0-/RGB_5V: length 17.5
  Top w0.2: U5.4 12.47,66.17 v1(12.5,66.2)
  In2.Cu w0.2: v1(12.5,66.2) arc(12.21,65.77) 12.11,65.27 12.11,61.78 arc(12.34,60.62) 13,59.64 14.27,58.37 arc(14.58,57.9) 14.69,57.35 arc(14.57,56.74) 14.22,56.22 12.31,54.32 arc(11.43,53) 11.12,51.45
Board_0-/RGB_DO: length 15.4
  Top w0.2: U4#7.37 19.02,58.45 arc(18.76,58.4) v1(18.53,58.25) ; U5.3 12.47,64.75 v1(12.59,64.86)
  In1.Cu w0.2: v1(12.59,64.86) 11.79,64.86 arc(11.14,64.59) 10.86,63.93 arc(11.01,63.2) 11.43,62.58 12.2,61.8 arc(12.64,61.15) 12.79,60.38 12.79,59.87 arc(12.98,59.41) 13.43,59.22 16.91,59.22 arc(17.51,59.1) 18.02,58.76 v1(18.53,58.25)
Board_0-/RST: length 3.3
  Top w0.2: U4#7.26 18.07,54.03 arc(18.17,53.52) Q1#7.3 18.47,52.74 arc(18.43,52.58) 18.35,52.45 17.74,51.85 arc(17.61,51.76) 17.46,51.73 R3#4.2
Board_0-/SWD_CLK: length 2.2
  Top w0.2: v1(15.72,55.6) 15.81,55.51 arc(16.25,55.21) 16.77,55.11 arc(17.12,54.96) 17.27,54.61 U4#7.24
Board_0-/SWD_IO: length 1.7
  Top w0.2: U4#7.25 17.67,54.74 arc(17.42,55.34) v1(16.81,55.59)
Board_0-/USB+: length 0.8
  Top w0.2: R12#2.1 15,69.18 arc(15.3,68.97) U1#9.1
Board_0-/USB-: length 0.8
  Top w0.2: R13#6.1 17.4,69.17 arc(17.1,68.97) U1#9.3
Board_0-GND: length 8.2
  Top w0.2: Q1#7.4 18.47,51.9 arc(18.5,52.06) 18.58,52.19 18.6,52.2 arc(18.73,52.29) 18.88,52.32 19.03,52.32 arc(19.18,52.35) 19.31,52.44 19.35,52.47 arc(19.43,52.6) 19.47,52.76 Q1#7.1 ; v1(16.27,57.85) 15.24,56.82 15.24,54.44 U4#7.19
  Top w0.3: C16#2.2 13.15,63.43 arc(13.33,63.71) U3#4.4
  Top w0.5: C5#5.2 19.5,68.9 U2#4.2 19.76,69.05 19.91,69.2
  vias: v1(7.8,70.52) v1(7.84,65.43) v1(7.84,62.88) v1(7.84,50.17) v1(7.86,57.8) v1(9.84,48.22) v1(10.07,56.77) v1(10.2,58.86) v1(10.52,77.37) v1(11.02,70.05) v1(11.61,63.28) v1(12.09,52.98) v1(12.39,48.28) v1(15.67,58.45) v1(15.67,57.85) v1(15.66,57.25) v1(16.24,67.15) v1(16.24,66.55) v1(16.24,65.95) v1(16.24,65.35) v1(16.24,64.75) v1(16.27,58.45) v1(16.27,57.25) v1(16.88,58.45) v1(16.87,57.85) v1(16.87,57.25) v1(17.48,48.25) v1(17.91,52.68) v1(18.58,70.79) v1(19.67,63.46) v1(19.84,52.24) v1(19.99,48.24) v1(20.73,66.53) v1(21.78,77.45) v1(22.41,51.98) v1(22.88,68.07) v1(24.55,70.45) v1(24.51,55.27) v1(24.45,52.69) v1(24.55,65.4) v2(12.34,73.14) v2(13.02,73.14) v2(19.42,73.14) v2(20.09,73.14)
Board_0-Net-(C8-Pad2): length 3.9
  Top w0.2: R14.1 14.73,53.09 arc(14.62,52.92) 14.59,52.73 14.59,52.06 arc(14.49,51.56) 14.21,51.14 13.77,50.7 Y1#2.1 13.47,50.92 C8#2.2
Board_0-Net-(D1-A): length 22.4
  Top w0.2: v1(20.24,61.21) 20.29,61.21 arc(20.97,61.49) D1#9.2 ; JP1#3.2 10.75,67.17 v1(10.75,66.92)
  In1.Cu w0.2: v1(20.24,61.21) 19.14,61.21 arc(18.67,61.12) 18.28,60.85 arc(18.06,60.53) 17.98,60.15 arc(18.1,59.57) 18.43,59.08 18.88,58.63 arc(19.02,58.27) 18.88,57.92 18.86,57.9 arc(18.51,57.76) 18.15,57.9 17.33,58.73 arc(17.11,58.87) 16.86,58.92 13.41,58.92 arc(12.76,59.2) 12.49,59.85 12.49,60.24 arc(12.33,61.03) 11.88,61.7 11.13,62.45 arc(10.71,63.08) 10.57,63.82 10.57,66.49 arc(10.61,66.72) 10.74,66.92 v1(10.75,66.92)
Board_0-Net-(D1-K): length 0.8
  Top w0.2: D1#9.1 R10.1
Board_0-Net-(D2-K): length 0.8
  Top w0.2: D2#5.1 R15#7.1
Board_0-Net-(D3-A): length 0.9
  Top w0.5: D3#7.2 21.05,71.24 F1.2
Board_0-Net-(J1-CC1): length 4.8
  Top w0.2: v1(17.44,73.37) 17.45,73.38 17.45,74.12 ; v1(20.8,73.69) 20.8,73.69 R7#2.2
  In1.Cu w0.2: v1(20.8,73.69) 20.78,73.67 18.17,73.67 arc(17.77,73.6) v1(17.44,73.37)
Board_0-Net-(J1-CC2): length 4.9
  Top w0.2: 11.16,74.12 11.16,74.07 v1(11.68,73.55) ; v1(14.59,73.19) 14.45,73.33 14.45,74.12
  In1.Cu w0.2: v1(11.68,73.55) 11.71,73.59 arc(11.81,73.65) 11.92,73.67 13.98,73.67 arc(14.09,73.65) 14.19,73.59 v1(14.59,73.19)
Board_0-Net-(J1-SHIELD): length 1.4
  Top w0.2: 21.77,75.42 21.77,76.8 FB1.1
Board_0-Net-(Q1A-D): length 26.6
  Top w0.2: Q2#2.1 Q2#2.2 12.87,70.28 v1(12.98,70.4) 13,70.41 13.93,70.41 R2#3.2 ; v1(19.98,51.59) 19.48,51.59 Q1#7.6 Q1#7.5
  In2.Cu w0.2: v1(19.98,51.59) 19.59,51.59 arc(17.64,51.98) 15.98,53.08 arc(15.25,54.18) 14.99,55.48 14.99,57.44 arc(14.87,58.02) 14.54,58.52 13.29,59.77 arc(12.64,60.74) 12.41,61.89 12.41,62.87 arc(12.5,63.34) 12.77,63.74 arc(12.99,64.07) 13.07,64.46 13.07,70.32 v1(12.98,70.4)
